# KiCad board DisplayAdapter.kicad_pcb (continued)
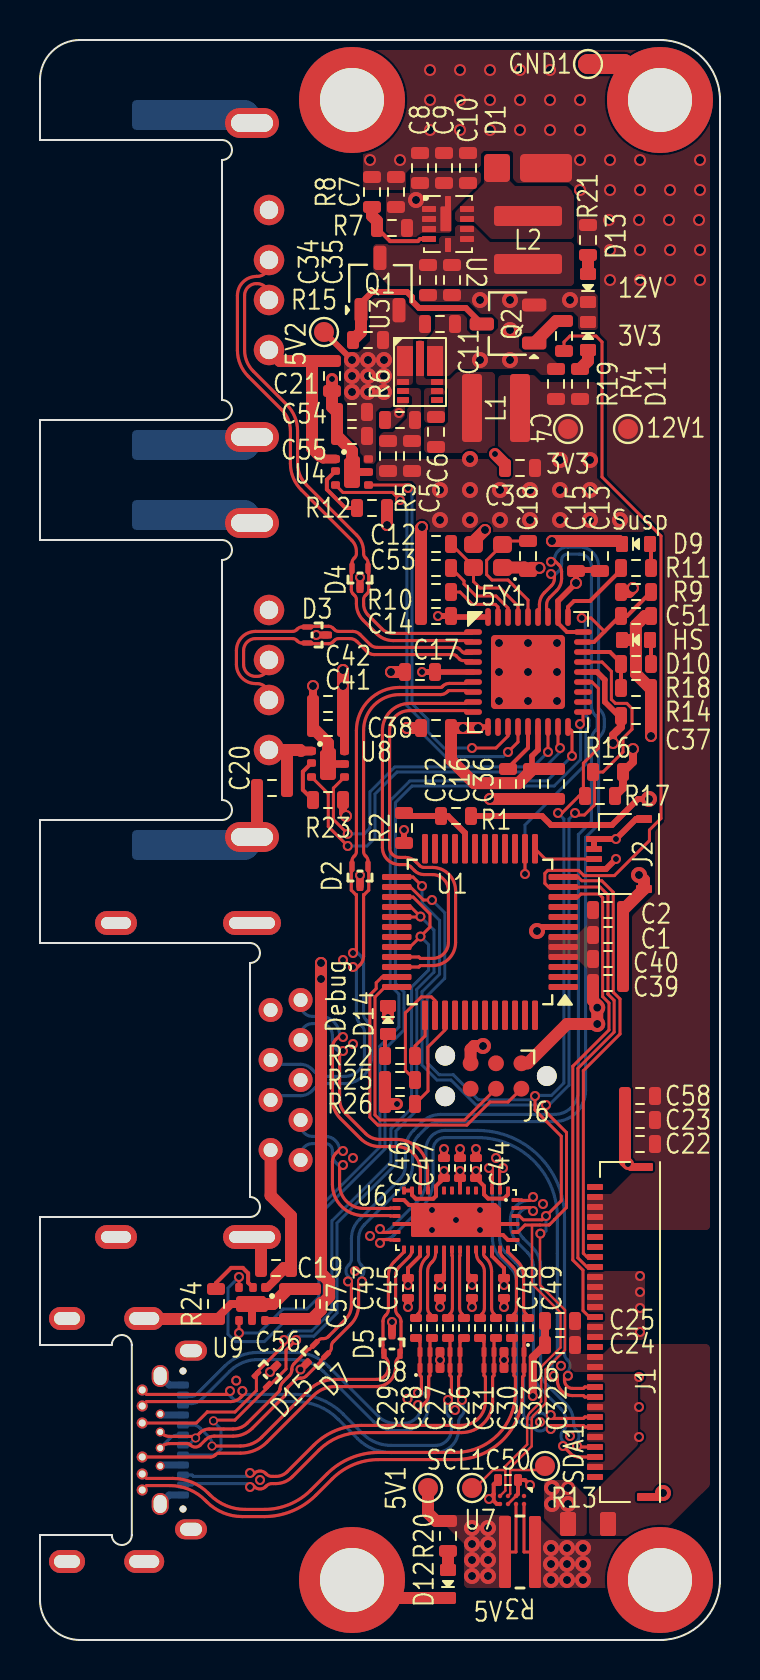
[diagram p0: board, top side]
## Copper pours and planes (outline as drawn; the poured copper is in the pictures) (continued)
/PWR_GEN/5V on Top: 24.45,2.6 30.9,2.6 30.9,5.05 26,5.05 25.05,6 25.05,6.2 24.45,6.2
/PWR_GEN/5V on Top: 15.5,59.4 15.35,59.55 15.35,61.85 15.2,62 15.2,64.2 15.4,64.4 15.95,64.4 16.5,64.95 16.5,66.9 16.7,67.1 18.05,67.1 18.9,66.25 19.55,66.25 19.55,65.4 19.3,65.15 18.8,65.15 18.65,65 18.65,62.85 18.55,62.75 17.85,62.75 17.7,62.6 17.7,61.75 17.55,61.6 17,61.6 16.8,61.4 16.8,58.9 16.7,58.8 16.25,58.8 16.15,58.9 16.15,59.2 15.95,59.4
/PWR_GEN/5V on Bottom: 11.5,67.55 11.5,32 16.4,32 16.4,42.4 18.4,44.4 18.4,58.15 19.95,59.7 27.8,59.7 30.45,57.05 30.45,42.65 30,42.2 30,8.8 26.5,6.2 25.15,6.2 25.15,2.6 33.5,2.62 33.5,67.55
/PWR_GEN/5V_R on Top: 23.55,6.25 19.95,6.25 19.95,5.65 20.35,5.65 21.2,4.8 21.2,2.6 23.55,2.6
/PWR_GEN/5V_R on Bottom: 15.6,11.5 20.9,6.2 22.8,6.2 22.8,2.6 19.4,2.6 13.5,8.5 10.6,8.5 9.6,8 6.85,8 6.85,12 9.6,12 10.6,11.5
/PWR_GEN/12V on Top: 33.5,79.5 16.15,79.5 16.15,72.5 18.3,72.5 18.3,73.35 18.55,73.6 22.05,73.6 22.05,74.3 22.2,74.45 23.55,74.45 23.65,74.35 23.65,73.05 23.85,72.85 26.45,72.85 26.85,72.5 26.85,69.85 27,69.7 27.85,69.7 28,69.55 28,65.3 28.35,64.95 28.35,58.2 31.2,55.35 31.2,40.9 30.75,40.45 30.75,37.35 29.6,36.2 29.6,23.35 28.55,22.3 27.35,22.3 27.35,20.5 33.5,20.5
/PWR_GEN/12V on Bottom: 33.5,67.7 11.5,67.7 11.5,79.5 33.5,79.5
GND on Top: 18.95,67.55 18.95,66.9 21.45,66.9 22.05,66.3 22.6,66.3 22.9,66 22.9,65.6 22.6,65.3 21.55,65.3 21.35,65.5 21.35,66.1 21.15,66.3 19.9,66.3 19.75,66.15 19.75,65.55 19.35,65 19.35,63.2 20.45,63.2 20.8,63.55 24.75,63.55 25.05,63.25 26.25,63.25 26.25,63.85 25.85,63.85 25.3,64.4 24.15,64.4 23.95,64.6 23.95,65.1 24.2,65.35 24.55,65.35 25.6,66.4 26.65,66.4 26.9,66.15 26.9,65.6 27,65.5 27.8,65.5 27.9,65.6 27.9,67.2 27.55,67.55
GND on Top: 17.85,62.15 17.85,61.7 17.6,61.45 16.95,61.45 16.95,60.55 17.6,60.55 18.25,61.2 18.25,61.65 18.45,61.85 18.45,62.15
GND on Top: 22.05,73.45 18.65,73.45 18.5,73.3 18.5,72.35 17.3,72.35 17.3,70.1 18.8,70.1 19.05,70.35 20.6,70.35 20.6,71.45 22.05,72.9
GND on Top: 30.25,18.45 27.35,18.45 27.35,15 30.25,15
GND on Top: 27.35,13.3 27.35,8.5 28.65,8.5 29.9,9.75 29.9,13.3
GND on In1.Cu, In2.Cu: -10,88 40,88 40,-2 -10,-2
/eDP_CONN/LCD_3V3 on Top: 33.5,14.8 28.65,14.8 28.15,14.3 27.05,14.3 27.05,16.35 26.45,16.35 26.45,13.4 30,13.4 30,9.7 27.45,7.15 27.45,5.2 30.95,5.2 33.5,7.72
/PWR_GEN/BOOST_IN on Top: 20.75,70.75 21.65,70.75 22.5,69.9 26.7,69.9 26.7,67.7 17.45,67.7 16.65,68.5 16.65,69.8 19.95,69.8 19.95,70.2 20.75,70.2
/PWR_GEN/BOOST_OUT on Top: 26.7,72.35 26.35,72.7 23.75,72.7 23.5,72.95 23.5,74.25 23.45,74.3 22.3,74.3 22.2,74.2 22.2,72.85 20.75,71.4 20.75,70.9 21.7,70.9 22.55,70.05 26.7,70.05
/PWR_GEN/BUCK_FB on Top: 19.05,59.45 18.95,59.35 17.05,59.35 16.95,59.45 16.95,60.2 17.15,60.4 17.65,60.4 18.35,61.1 18.35,61.55 18.6,61.8 18.6,62.15 18.45,62.3 17.85,62.3 17.85,62.6 18.95,62.6 19.05,62.5
/PWR_GEN/BUCK_OUT on Top: 18.8,65 18.8,62.85 18.9,62.75 20.2,62.75 20.4,62.55 20.4,60.9 20.2,60.7 19.2,60.7 19.2,59.35 22.75,59.35 22.75,63.4 20.85,63.4 20.5,63.05 19.3,63.05 19.2,63.15 19.2,65
Net-(U3-BST) on Top: 20.25,60.85 19.2,60.85 19.2,62.5 19.3,62.6 20.25,62.6

## Text on the board
F.Silkscreen: 5V | 12V | 3V3 | Susp | HS | Debug
